# KiCad board panel.kicad_pcb (continued)
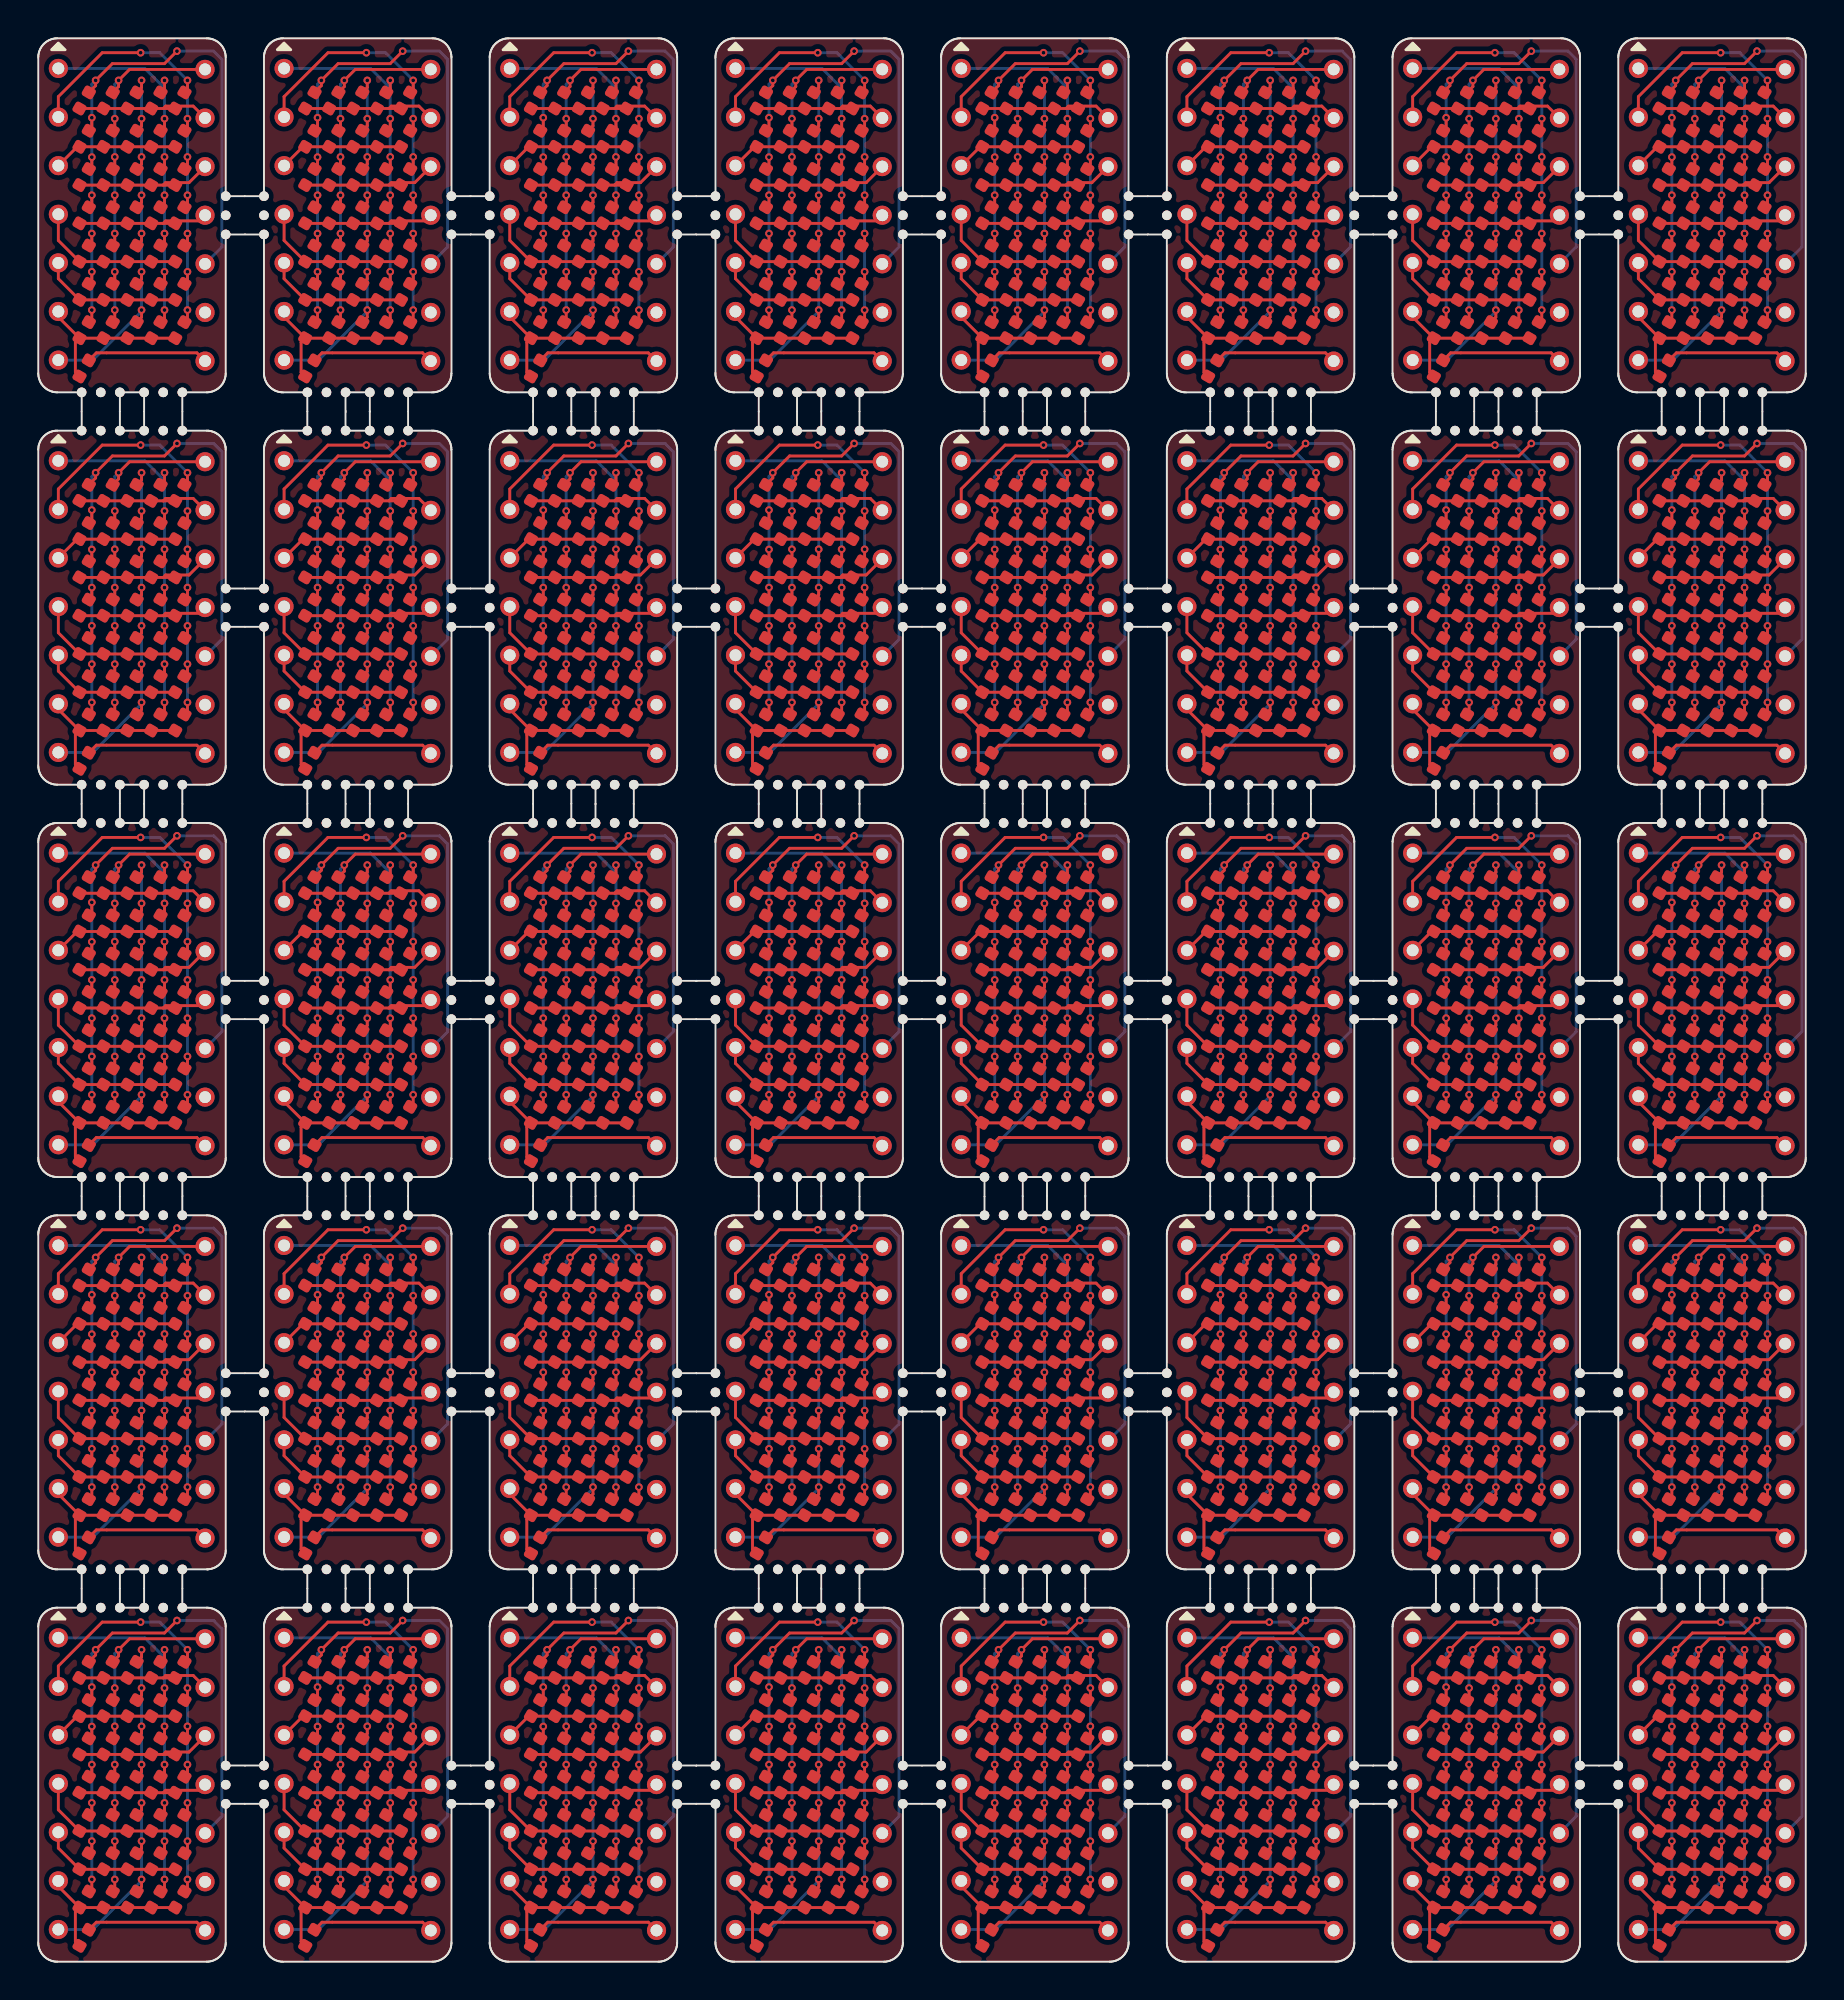
[diagram p0: board, top side]
## Routing (per net, layer and track width the routed paths; a pad name or vN(x,y) marks a point on that pad's centre or on a via; arc(x,y) is an arc through that point) (continued)
Board_24-C4: length 23
  Top w0.15: v1(6.6,30.8) 6.6,30.38 D26.2 ; v1(6.6,34.8) 6.6,34.38 D24#25.2 ; v1(6.6,32.8) 6.6,32.38 D25#11.2 ; v1(6.6,26.8) 6.6,26.38 D28#39.2 ; v1(6.6,36.8) 6.6,36.38 D23#19.2 ; D29#28.2 6.6,24.38 v1(6.6,24.8) ; v1(6.6,28.8) 6.6,28.38 D27#4.2
  Bottom w0.15: 6.6,36.39 v1(6.6,34.8) v1(6.6,32.8) v1(6.6,30.8) v1(6.6,28.8) v1(6.6,26.8) v1(6.6,24.8) ; 6.6,36.39 v1(6.6,36.8) ; 6.6,36.39 5.57,37.42 J1#34.1
Board_24-C5: length 26.2
  Top w0.15: D36#3.2 7.8,24.33 v1(7.8,24.8) ; D31#24.2 7.8,34.33 v1(7.8,34.8) ; D34#9.2 7.8,28.33 v1(7.8,28.8) ; D32#30.2 7.8,32.33 v1(7.8,32.8) ; D33#10.2 7.8,30.33 v1(7.8,30.8) ; D35#39.2 7.8,26.33 v1(7.8,26.8) ; D30#3.2 7.8,36.33 v1(7.8,36.8) ; v1(5.35,38.25) 3.34,38.25 1.05,35.95 J1#34.2
  Bottom w0.15: v1(7.8,24.8) v1(7.8,26.8) v1(7.8,28.8) v1(7.8,30.8) v1(7.8,32.8) v1(7.8,34.8) v1(7.8,36.8) 6.36,38.25 v1(5.35,38.25)
Board_24-DP: length 6.4
  Top w0.15: J2#37.7 8.29,22.56 3.04,22.56 D8#10.2
Board_24-R1: length 7.5
  Top w0.15: D1#11.1 D9#30.1 D16#36.1 D23#19.1 6.53,35.33 ; J2#37.2 8.1,35.46 6.66,35.46 6.53,35.33 ; 6.53,35.33 D30#3.1
Board_24-R2: length 6.5
  Top w0.15: J1#34.3 2.03,33.33 D2.1 D10#16.1 D17#30.1 D24#25.1 D31#24.1
Board_24-R3: length 7.6
  Top w0.15: 6.53,31.33 D25#11.1 D18#33.1 D11#13.1 D3#36.1 ; 6.53,31.33 6.66,31.46 7.88,31.46 J2#37.3 ; 6.53,31.33 D32#30.1
Board_24-R4: length 7.4
  Top w0.15: J2#37.4 8.42,29.46 6.66,29.46 6.53,29.33 ; 6.53,29.33 D33#10.1 ; 6.53,29.33 D26.1 D19#40.1 D12.1 D4#20.1
Board_24-R5: length 7.9
  Top w0.15: J1#34.4 1.05,28.44 D5#32.1 D13#10.1 D20#29.1 D27#4.1 D34#9.1
Board_24-R6: length 7.4
  Top w0.15: D35#39.1 D28#39.1 D21#34.1 D14#6.1 D6#10.1 1.05,26.44 J1#34.5
Board_24-R7: length 9
  Top w0.15: D8#10.1 1.94,21.55 1.94,23.11 D7#39.1 ; D36#3.1 D29#28.1 D22.1 D15#3.1 D7#39.1 ; J1#34.6 1.05,24.44 D7#39.1
Board_25-C1: length 35.5
  Top w0.15: v1(14.6,34.85) 14.6,34.33 D2#8.2 ; D7#33.2 14.6,24.33 v1(14.6,24.8) ; v1(14.6,32.79) 14.6,32.33 D3#20.2 ; v1(14.6,26.8) 14.6,26.33 D6#35.2 ; D4#28.2 14.6,30.33 v1(14.6,30.8) ; D5#29.2 14.6,28.33 v1(14.6,28.8) ; v1(19.05,38.33) 18.4,37.68 15.68,37.68 v1(14.8,36.8) 14.8,36.53 D1#13.2
  Bottom w0.15: v1(14.8,36.8) 14.6,36.6 v1(14.6,34.85) v1(14.6,32.79) v1(14.6,30.8) v1(14.6,28.8) v1(14.6,26.8) v1(14.6,24.8) ; J2#19.5 21.4,28.09 21.4,37.9 20.97,38.33 v1(19.05,38.33)
Board_25-C2: length 21.6
  Top w0.15: v1(15.8,30.8) 15.8,30.28 D12#30.2 ; v1(15.8,26.8) 15.8,26.28 D14#10.2 ; D11#11.2 15.8,32.28 v1(15.8,32.8) ; v1(15.8,34.8) 15.8,34.28 D10#14.2 ; D9#27.2 16,36.48 v1(16,36.8) 16.57,37.37 20.52,37.37 J2#19.1 ; v1(15.8,28.8) 15.8,28.28 D13#6.2 ; D15#30.2 15.8,24.28 v1(15.8,24.8)
  Bottom w0.15: v1(15.8,24.8) v1(15.8,26.8) v1(15.8,28.8) v1(15.8,30.8) v1(15.8,32.8) v1(15.8,34.8) 15.8,36.6 v1(16,36.8)
Board_25-C3: length 22.6
  Top w0.15: v1(17.2,32.8) 17.2,32.43 D18#20.2 ; v1(17.2,28.8) 17.2,28.43 D20#23.2 ; D17#24.2 17.2,34.43 v1(17.2,34.8) ; v1(17.2,26.8) 17.2,26.43 D21#5.2 ; D22#23.2 17.2,24.43 v1(17.2,24.8) ; v1(17.2,30.8) 17.2,30.43 D19#26.2 ; D16#25.2 17.2,36.43 v1(17.2,36.8)
  Bottom w0.15: v1(17.2,36.8) v1(17.2,34.8) v1(17.2,32.8) v1(17.2,30.8) v1(17.2,28.8) v1(17.2,26.8) v1(17.2,24.8) 17.2,24.73 14.65,22.19 J1.7
Board_25-C4: length 23
  Top w0.15: v1(18.4,34.8) 18.4,34.38 D24#16.2 ; v1(18.4,28.8) 18.4,28.38 D27#33.2 ; D29#26.2 18.4,24.38 v1(18.4,24.8) ; v1(18.4,32.8) 18.4,32.38 D25#34.2 ; D26#40.2 18.4,30.38 v1(18.4,30.8) ; D23.2 18.4,36.38 v1(18.4,36.8) ; D28#32.2 18.4,26.38 v1(18.4,26.8)
  Bottom w0.15: v1(18.4,24.8) v1(18.4,26.8) v1(18.4,28.8) v1(18.4,30.8) v1(18.4,32.8) v1(18.4,34.8) 18.4,36.39 ; 18.4,36.39 v1(18.4,36.8) ; 18.4,36.39 17.37,37.42 J1.1
Board_25-C5: length 26.2
  Top w0.15: v1(19.6,36.8) 19.6,36.33 D30#11.2 ; D33#13.2 19.6,30.33 v1(19.6,30.8) ; D34#14.2 19.6,28.33 v1(19.6,28.8) ; D31#33.2 19.6,34.33 v1(19.6,34.8) ; v1(17.15,38.25) 15.14,38.25 12.85,35.95 J1.2 ; D35#2.2 19.6,26.33 v1(19.6,26.8) ; v1(19.6,32.8) 19.6,32.33 D32#21.2 ; D36#26.2 19.6,24.33 v1(19.6,24.8)
  Bottom w0.15: v1(17.15,38.25) 18.16,38.25 v1(19.6,36.8) v1(19.6,34.8) v1(19.6,32.8) v1(19.6,30.8) v1(19.6,28.8) v1(19.6,26.8) v1(19.6,24.8)
Board_25-DP: length 6.4
  Top w0.15: J2#19.7 20.09,22.56 14.84,22.56 D8#26.2
Board_25-R1: length 7.5
  Top w0.15: 18.33,35.33 18.46,35.46 19.9,35.46 J2#19.2 ; 18.33,35.33 D30#11.1 ; 18.33,35.33 D23.1 D16#25.1 D9#27.1 D1#13.1
Board_25-R2: length 6.5
  Top w0.15: D31#33.1 D24#16.1 D17#24.1 D10#14.1 D2#8.1 13.84,33.33 J1.3
Board_25-R3: length 7.6
  Top w0.15: D3#20.1 D11#11.1 D18#20.1 D25#34.1 18.33,31.33 ; J2#19.3 19.68,31.46 18.46,31.46 18.33,31.33 ; 18.33,31.33 D32#21.1
Board_25-R4: length 7.4
  Top w0.15: J2#19.4 20.22,29.46 18.46,29.46 18.33,29.33 ; 18.33,29.33 D33#13.1 ; 18.33,29.33 D26#40.1 D19#26.1 D12#30.1 D4#28.1
Board_25-R5: length 7.9
  Top w0.15: J1.4 12.85,28.44 D5#29.1 D13#6.1 D20#23.1 D27#33.1 D34#14.1
Board_25-R6: length 7.4
  Top w0.15: J1.5 12.85,26.44 D6#35.1 D14#10.1 D21#5.1 D28#32.1 D35#2.1
Board_25-R7: length 9
  Top w0.15: J1.6 12.85,24.44 D7#33.1 ; D36#26.1 D29#26.1 D22#23.1 D15#30.1 D7#33.1 ; D8#26.1 13.74,21.55 13.74,23.11 D7#33.1
Board_26-C1: length 35.5
  Top w0.15: v1(26.4,26.8) 26.4,26.33 D6#23.2 ; D5#27.2 26.4,28.33 v1(26.4,28.8) ; D2#33.2 26.4,34.33 v1(26.4,34.85) ; D4#37.2 26.4,30.33 v1(26.4,30.8) ; D3#3.2 26.4,32.33 v1(26.4,32.79) ; v1(26.4,24.8) 26.4,24.33 D7#19.2 ; v1(30.85,38.33) 30.2,37.68 27.48,37.68 v1(26.6,36.8) 26.6,36.53 D1#5.2
  Bottom w0.15: v1(26.6,36.8) 26.4,36.6 v1(26.4,34.85) v1(26.4,32.79) v1(26.4,30.8) v1(26.4,28.8) v1(26.4,26.8) v1(26.4,24.8) ; J2#30.5 33.2,28.09 33.2,37.9 32.77,38.33 v1(30.85,38.33)
Board_26-C2: length 21.6
  Top w0.15: v1(27.6,34.8) 27.6,34.28 D10#4.2 ; D14#20.2 27.6,26.28 v1(27.6,26.8) ; v1(27.6,28.8) 27.6,28.28 D13#27.2 ; J2#30.1 32.32,37.37 28.37,37.37 v1(27.8,36.8) 27.8,36.48 D9#28.2 ; v1(27.6,30.8) 27.6,30.28 D12#14.2 ; D15#11.2 27.6,24.28 v1(27.6,24.8) ; D11#15.2 27.6,32.28 v1(27.6,32.8)
  Bottom w0.15: v1(27.8,36.8) 27.6,36.6 v1(27.6,34.8) v1(27.6,32.8) v1(27.6,30.8) v1(27.6,28.8) v1(27.6,26.8) v1(27.6,24.8)
Board_26-C3: length 22.6
  Top w0.15: D22#21.2 29,24.43 v1(29,24.8) ; v1(29,30.8) 29,30.43 D19#24.2 ; D18#10.2 29,32.43 v1(29,32.8) ; D16.2 29,36.43 v1(29,36.8) ; D21#18.2 29,26.43 v1(29,26.8) ; D20#27.2 29,28.43 v1(29,28.8) ; v1(29,34.8) 29,34.43 D17#38.2
  Bottom w0.15: J1#16.7 26.45,22.19 29,24.73 v1(29,24.8) v1(29,26.8) v1(29,28.8) v1(29,30.8) v1(29,32.8) v1(29,34.8) v1(29,36.8)
Board_26-C4: length 23
  Top w0.15: v1(30.2,28.8) 30.2,28.38 D27#27.2 ; D23#22.2 30.2,36.38 v1(30.2,36.8) ; D26#33.2 30.2,30.38 v1(30.2,30.8) ; D24#21.2 30.2,34.38 v1(30.2,34.8) ; v1(30.2,24.8) 30.2,24.38 D29#38.2 ; D25#35.2 30.2,32.38 v1(30.2,32.8) ; D28#3.2 30.2,26.38 v1(30.2,26.8)
  Bottom w0.15: 30.2,36.39 29.17,37.42 J1#16.1 ; 30.2,36.39 v1(30.2,34.8) v1(30.2,32.8) v1(30.2,30.8) v1(30.2,28.8) v1(30.2,26.8) v1(30.2,24.8) ; 30.2,36.39 v1(30.2,36.8)
Board_26-C5: length 26.2
  Top w0.15: D33#6.2 31.4,30.33 v1(31.4,30.8) ; D34#34.2 31.4,28.33 v1(31.4,28.8) ; D35#16.2 31.4,26.33 v1(31.4,26.8) ; v1(31.4,24.8) 31.4,24.33 D36#7.2 ; D30#36.2 31.4,36.33 v1(31.4,36.8) ; J1#16.2 24.65,35.95 26.95,38.25 v1(28.95,38.25) ; v1(31.4,32.8) 31.4,32.33 D32#27.2 ; v1(31.4,34.8) 31.4,34.33 D31#12.2
  Bottom w0.15: v1(31.4,24.8) v1(31.4,26.8) v1(31.4,28.8) v1(31.4,30.8) v1(31.4,32.8) v1(31.4,34.8) v1(31.4,36.8) 29.95,38.25 v1(28.95,38.25)
Board_26-DP: length 6.4
  Top w0.15: D8#7.2 26.64,22.56 31.89,22.56 J2#30.7
Board_26-R1: length 7.5
  Top w0.15: 30.13,35.33 D23#22.1 D16.1 D9#28.1 D1#5.1 ; 30.13,35.33 30.26,35.46 31.7,35.46 J2#30.2 ; 30.13,35.33 D30#36.1
Board_26-R2: length 6.5
  Top w0.15: D31#12.1 D24#21.1 D17#38.1 D10#4.1 D2#33.1 25.64,33.33 J1#16.3
Board_26-R3: length 7.6
  Top w0.15: 30.13,31.33 D25#35.1 D18#10.1 D11#15.1 D3#3.1 ; 30.13,31.33 D32#27.1 ; 30.13,31.33 30.26,31.46 31.48,31.46 J2#30.3
Board_26-R4: length 7.4
  Top w0.15: D4#37.1 D12#14.1 D19#24.1 D26#33.1 30.13,29.33 ; 30.13,29.33 D33#6.1 ; 30.13,29.33 30.26,29.46 32.02,29.46 J2#30.4
Board_26-R5: length 7.9
  Top w0.15: D34#34.1 D27#27.1 D20#27.1 D13#27.1 D5#27.1 24.65,28.44 J1#16.4
Board_26-R6: length 7.4
  Top w0.15: D35#16.1 D28#3.1 D21#18.1 D14#20.1 D6#23.1 24.65,26.44 J1#16.5
Board_26-R7: length 9
  Top w0.15: D8#7.1 25.54,21.55 25.54,23.11 D7#19.1 ; D7#19.1 24.65,24.44 J1#16.6 ; D7#19.1 D15#11.1 D22#21.1 D29#38.1 D36#7.1
Board_27-C1: length 35.5
  Top w0.15: v1(38.2,30.8) 38.2,30.33 D4#19.2 ; v1(38.2,24.8) 38.2,24.33 D7#26.2 ; v1(38.2,26.8) 38.2,26.33 D6#11.2 ; v1(38.2,32.79) 38.2,32.33 D3#14.2 ; v1(38.2,28.8) 38.2,28.33 D5#31.2 ; v1(38.2,34.85) 38.2,34.33 D2#37.2 ; D1#21.2 38.4,36.53 v1(38.4,36.8) 39.28,37.68 42,37.68 v1(42.65,38.33)
  Bottom w0.15: v1(38.4,36.8) 38.2,36.6 v1(38.2,34.85) v1(38.2,32.79) v1(38.2,30.8) v1(38.2,28.8) v1(38.2,26.8) v1(38.2,24.8) ; J2#28.5 45,28.09 45,37.9 44.57,38.33 v1(42.65,38.33)
Board_27-C2: length 21.6
  Top w0.15: v1(39.4,28.8) 39.4,28.28 D13#34.2 ; J2#28.1 44.12,37.37 40.17,37.37 v1(39.6,36.8) 39.6,36.48 D9#15.2 ; D12#21.2 39.4,30.28 v1(39.4,30.8) ; v1(39.4,34.8) 39.4,34.28 D10#38.2 ; D14#31.2 39.4,26.28 v1(39.4,26.8) ; D15#15.2 39.4,24.28 v1(39.4,24.8) ; v1(39.4,32.8) 39.4,32.28 D11#33.2
  Bottom w0.15: v1(39.4,24.8) v1(39.4,26.8) v1(39.4,28.8) v1(39.4,30.8) v1(39.4,32.8) v1(39.4,34.8) 39.4,36.6 v1(39.6,36.8)
Board_27-C3: length 22.6
  Top w0.15: D19#4.2 40.8,30.43 v1(40.8,30.8) ; D21#7.2 40.8,26.43 v1(40.8,26.8) ; v1(40.8,34.8) 40.8,34.43 D17#17.2 ; D20#33.2 40.8,28.43 v1(40.8,28.8) ; D16#10.2 40.8,36.43 v1(40.8,36.8) ; D18#26.2 40.8,32.43 v1(40.8,32.8) ; v1(40.8,24.8) 40.8,24.43 D22#3.2
  Bottom w0.15: v1(40.8,36.8) v1(40.8,34.8) v1(40.8,32.8) v1(40.8,30.8) v1(40.8,28.8) v1(40.8,26.8) v1(40.8,24.8) 40.8,24.73 38.25,22.19 J1#37.7
Board_27-C4: length 23
  Top w0.15: D23#37.2 42,36.38 v1(42,36.8) ; D27#22.2 42,28.38 v1(42,28.8) ; D28#40.2 42,26.38 v1(42,26.8) ; v1(42,32.8) 42,32.38 D25#19.2 ; D29#14.2 42,24.38 v1(42,24.8) ; v1(42,30.8) 42,30.38 D26#8.2 ; v1(42,34.8) 42,34.38 D24#31.2
  Bottom w0.15: v1(42,24.8) v1(42,26.8) v1(42,28.8) v1(42,30.8) v1(42,32.8) v1(42,34.8) 42,36.39 ; 42,36.39 40.97,37.42 J1#37.1 ; 42,36.39 v1(42,36.8)
Board_27-C5: length 26.2
  Top w0.15: D31#4.2 43.2,34.33 v1(43.2,34.8) ; D36#4.2 43.2,24.33 v1(43.2,24.8) ; v1(43.2,36.8) 43.2,36.33 D30#21.2 ; D33#15.2 43.2,30.33 v1(43.2,30.8) ; v1(43.2,28.8) 43.2,28.33 D34#26.2 ; D35#40.2 43.2,26.33 v1(43.2,26.8) ; v1(43.2,32.8) 43.2,32.33 D32#5.2 ; v1(40.75,38.25) 38.74,38.25 36.45,35.95 J1#37.2
  Bottom w0.15: v1(43.2,24.8) v1(43.2,26.8) v1(43.2,28.8) v1(43.2,30.8) v1(43.2,32.8) v1(43.2,34.8) v1(43.2,36.8) 41.76,38.25 v1(40.75,38.25)
Board_27-DP: length 6.4
  Top w0.15: D8#35.2 38.44,22.56 43.69,22.56 J2#28.7
Board_27-R1: length 7.5
  Top w0.15: 41.93,35.33 D23#37.1 D16#10.1 D9#15.1 D1#21.1 ; 41.93,35.33 42.06,35.46 43.5,35.46 J2#28.2 ; 41.93,35.33 D30#21.1
Board_27-R2: length 6.5
  Top w0.15: J1#37.3 37.44,33.33 D2#37.1 D10#38.1 D17#17.1 D24#31.1 D31#4.1
Board_27-R3: length 7.6
  Top w0.15: J2#28.3 43.28,31.46 42.06,31.46 41.93,31.33 ; 41.93,31.33 D25#19.1 D18#26.1 D11#33.1 D3#14.1 ; 41.93,31.33 D32#5.1
Board_27-R4: length 7.4
  Top w0.15: D4#19.1 D12#21.1 D19#4.1 D26#8.1 41.93,29.33 ; 41.93,29.33 42.06,29.46 43.82,29.46 J2#28.4 ; 41.93,29.33 D33#15.1
Board_27-R5: length 7.9
  Top w0.15: D34#26.1 D27#22.1 D20#33.1 D13#34.1 D5#31.1 36.45,28.44 J1#37.4
Board_27-R6: length 7.4
  Top w0.15: J1#37.5 36.45,26.44 D6#11.1 D14#31.1 D21#7.1 D28#40.1 D35#40.1
Board_27-R7: length 9
  Top w0.15: D7#26.1 D15#15.1 D22#3.1 D29#14.1 D36#4.1 ; D7#26.1 37.34,23.11 37.34,21.55 D8#35.1 ; D7#26.1 36.45,24.44 J1#37.6
Board_28-C1: length 35.5
  Top w0.15: D3#10.2 50,32.33 v1(50,32.79) ; D1#24.2 50.2,36.53 v1(50.2,36.8) 51.08,37.68 53.8,37.68 v1(54.45,38.33) ; v1(50,28.8) 50,28.33 D5#22.2 ; v1(50,24.8) 50,24.33 D7#9.2 ; v1(50,30.8) 50,30.33 D4#4.2 ; v1(50,26.8) 50,26.33 D6#8.2 ; D2#4.2 50,34.33 v1(50,34.85)
  Bottom w0.15: v1(54.45,38.33) 56.37,38.33 56.8,37.9 56.8,28.09 J2#21.5 ; v1(50,24.8) v1(50,26.8) v1(50,28.8) v1(50,30.8) v1(50,32.79) v1(50,34.85) 50,36.6 v1(50.2,36.8)
Board_28-C2: length 21.6
  Top w0.15: D13#22.2 51.2,28.28 v1(51.2,28.8) ; v1(51.2,30.8) 51.2,30.28 D12#5.2 ; v1(51.2,34.8) 51.2,34.28 D10#12.2 ; v1(51.2,24.8) 51.2,24.28 D15#10.2 ; v1(51.2,26.8) 51.2,26.28 D14#29.2 ; v1(51.2,32.8) 51.2,32.28 D11#26.2 ; J2#21.1 55.92,37.37 51.97,37.37 v1(51.4,36.8) 51.4,36.48 D9#17.2
  Bottom w0.15: v1(51.2,24.8) v1(51.2,26.8) v1(51.2,28.8) v1(51.2,30.8) v1(51.2,32.8) v1(51.2,34.8) 51.2,36.6 v1(51.4,36.8)
Board_28-C3: length 22.6
  Top w0.15: v1(52.6,28.8) 52.6,28.43 D20#15.2 ; v1(52.6,34.8) 52.6,34.43 D17#35.2 ; v1(52.6,24.8) 52.6,24.43 D22#32.2 ; D18#34.2 52.6,32.43 v1(52.6,32.8) ; v1(52.6,26.8) 52.6,26.43 D21#29.2 ; D16#21.2 52.6,36.43 v1(52.6,36.8) ; v1(52.6,30.8) 52.6,30.43 D19#39.2
  Bottom w0.15: v1(52.6,36.8) v1(52.6,34.8) v1(52.6,32.8) v1(52.6,30.8) v1(52.6,28.8) v1(52.6,26.8) v1(52.6,24.8) 52.6,24.73 50.05,22.19 J1#17.7
Board_28-C4: length 23
  Top w0.15: v1(53.8,26.8) 53.8,26.38 D28#19.2 ; v1(53.8,24.8) 53.8,24.38 D29#11.2 ; v1(53.8,30.8) 53.8,30.38 D26#38.2 ; v1(53.8,34.8) 53.8,34.38 D24#9.2 ; D27#37.2 53.8,28.38 v1(53.8,28.8) ; D25#26.2 53.8,32.38 v1(53.8,32.8) ; D23#24.2 53.8,36.38 v1(53.8,36.8)
  Bottom w0.15: 53.8,36.39 v1(53.8,34.8) v1(53.8,32.8) v1(53.8,30.8) v1(53.8,28.8) v1(53.8,26.8) v1(53.8,24.8) ; 53.8,36.39 52.77,37.42 J1#17.1 ; 53.8,36.39 v1(53.8,36.8)
Board_28-C5: length 26.2
  Top w0.15: v1(55,36.8) 55,36.33 D30#32.2 ; D36#12.2 55,24.33 v1(55,24.8) ; D31#20.2 55,34.33 v1(55,34.8) ; v1(55,28.8) 55,28.33 D34#38.2 ; v1(55,26.8) 55,26.33 D35#7.2 ; J1#17.2 48.25,35.95 50.55,38.25 v1(52.55,38.25) ; D33#37.2 55,30.33 v1(55,30.8) ; D32#2.2 55,32.33 v1(55,32.8)
  Bottom w0.15: v1(55,24.8) v1(55,26.8) v1(55,28.8) v1(55,30.8) v1(55,32.8) v1(55,34.8) v1(55,36.8) 53.55,38.25 v1(52.55,38.25)
Board_28-DP: length 6.4
  Top w0.15: D8#36.2 50.24,22.56 55.49,22.56 J2#21.7
Board_28-R1: length 7.5
  Top w0.15: J2#21.2 55.3,35.46 53.86,35.46 53.73,35.33 ; D1#24.1 D9#17.1 D16#21.1 D23#24.1 53.73,35.33 ; D30#32.1 53.73,35.33
Board_28-R2: length 6.5
  Top w0.15: D31#20.1 D24#9.1 D17#35.1 D10#12.1 D2#4.1 49.23,33.33 J1#17.3
Board_28-R3: length 7.6
  Top w0.15: 53.73,31.33 53.86,31.46 55.08,31.46 J2#21.3 ; 53.73,31.33 D25#26.1 D18#34.1 D11#26.1 D3#10.1 ; 53.73,31.33 D32#2.1
Board_28-R4: length 7.4
  Top w0.15: J2#21.4 55.62,29.46 53.86,29.46 53.73,29.33 ; 53.73,29.33 D33#37.1 ; 53.73,29.33 D26#38.1 D19#39.1 D12#5.1 D4#4.1
Board_28-R5: length 7.9
  Top w0.15: D34#38.1 D27#37.1 D20#15.1 D13#22.1 D5#22.1 48.25,28.44 J1#17.4
Board_28-R6: length 7.4
  Top w0.15: D35#7.1 D28#19.1 D21#29.1 D14#29.1 D6#8.1 48.25,26.44 J1#17.5
Board_28-R7: length 9
  Top w0.15: J1#17.6 48.25,24.44 D7#9.1 ; D7#9.1 D15#10.1 D22#32.1 D29#11.1 D36#12.1 ; D7#9.1 49.14,23.11 49.14,21.55 D8#36.1
Board_29-C1: length 35.5
  Top w0.15: D6#19.2 61.8,26.33 v1(61.8,26.8) ; D2#13.2 61.8,34.33 v1(61.8,34.85) ; D5#14.2 61.8,28.33 v1(61.8,28.8) ; v1(61.8,30.8) 61.8,30.33 D4#26.2 ; v1(61.8,24.8) 61.8,24.33 D7#8.2 ; D1#26.2 62,36.53 v1(62,36.8) 62.88,37.68 65.6,37.68 v1(66.25,38.33) ; D3#5.2 61.8,32.33 v1(61.8,32.79)
  Bottom w0.15: J2#18.5 68.6,28.09 68.6,37.9 68.17,38.33 v1(66.25,38.33) ; v1(62,36.8) 61.8,36.6 v1(61.8,34.85) v1(61.8,32.79) v1(61.8,30.8) v1(61.8,28.8) v1(61.8,26.8) v1(61.8,24.8)
Board_29-C2: length 21.6
  Top w0.15: D10#20.2 63,34.28 v1(63,34.8) ; v1(63,24.8) 63,24.28 D15#18.2 ; v1(63,26.8) 63,26.28 D14#26.2 ; v1(63,28.8) 63,28.28 D13#29.2 ; D12#31.2 63,30.28 v1(63,30.8) ; D9#37.2 63.2,36.48 v1(63.2,36.8) 63.77,37.37 67.72,37.37 J2#18.1 ; v1(63,32.8) 63,32.28 D11#29.2
  Bottom w0.15: v1(63.2,36.8) 63,36.6 v1(63,34.8) v1(63,32.8) v1(63,30.8) v1(63,28.8) v1(63,26.8) v1(63,24.8)
Board_29-C3: length 22.6
  Top w0.15: D22#9.2 64.4,24.43 v1(64.4,24.8) ; v1(64.4,30.8) 64.4,30.43 D19#14.2 ; D20#17.2 64.4,28.43 v1(64.4,28.8) ; D17#23.2 64.4,34.43 v1(64.4,34.8) ; v1(64.4,26.8) 64.4,26.43 D21#36.2 ; D16#2.2 64.4,36.43 v1(64.4,36.8) ; v1(64.4,32.8) 64.4,32.43 D18#18.2
  Bottom w0.15: v1(64.4,36.8) v1(64.4,34.8) v1(64.4,32.8) v1(64.4,30.8) v1(64.4,28.8) v1(64.4,26.8) v1(64.4,24.8) 64.4,24.73 61.85,22.19 J1#30.7
Board_29-C4: length 23
  Top w0.15: v1(65.6,36.8) 65.6,36.38 D23#36.2 ; v1(65.6,24.8) 65.6,24.38 D29#33.2 ; v1(65.6,32.8) 65.6,32.38 D25#7.2 ; v1(65.6,28.8) 65.6,28.38 D27#31.2 ; D26#23.2 65.6,30.38 v1(65.6,30.8) ; D24#34.2 65.6,34.38 v1(65.6,34.8) ; D28#30.2 65.6,26.38 v1(65.6,26.8)
  Bottom w0.15: 65.6,36.39 v1(65.6,34.8) v1(65.6,32.8) v1(65.6,30.8) v1(65.6,28.8) v1(65.6,26.8) v1(65.6,24.8) ; 65.6,36.39 v1(65.6,36.8) ; 65.6,36.39 64.57,37.42 J1#30.1
Board_29-C5: length 26.2
  Top w0.15: D35#25.2 66.8,26.33 v1(66.8,26.8) ; D31#36.2 66.8,34.33 v1(66.8,34.8) ; v1(66.8,24.8) 66.8,24.33 D36#16.2 ; D33#19.2 66.8,30.33 v1(66.8,30.8) ; J1#30.2 60.05,35.95 62.35,38.25 v1(64.35,38.25) ; v1(66.8,28.8) 66.8,28.33 D34#32.2 ; D32#10.2 66.8,32.33 v1(66.8,32.8) ; D30#38.2 66.8,36.33 v1(66.8,36.8)
  Bottom w0.15: v1(64.35,38.25) 65.36,38.25 v1(66.8,36.8) v1(66.8,34.8) v1(66.8,32.8) v1(66.8,30.8) v1(66.8,28.8) v1(66.8,26.8) v1(66.8,24.8)
Board_29-DP: length 6.4
  Top w0.15: J2#18.7 67.29,22.56 62.04,22.56 D8#38.2
Board_29-R1: length 7.5
  Top w0.15: 65.53,35.33 65.66,35.46 67.1,35.46 J2#18.2 ; 65.53,35.33 D30#38.1 ; 65.53,35.33 D23#36.1 D16#2.1 D9#37.1 D1#26.1
Board_29-R2: length 6.5
  Top w0.15: D31#36.1 D24#34.1 D17#23.1 D10#20.1 D2#13.1 61.04,33.33 J1#30.3
Board_29-R3: length 7.6
  Top w0.15: 65.53,31.33 65.66,31.46 66.88,31.46 J2#18.3 ; 65.53,31.33 D25#7.1 D18#18.1 D11#29.1 D3#5.1 ; 65.53,31.33 D32#10.1
Board_29-R4: length 7.4
  Top w0.15: 65.53,29.33 65.66,29.46 67.42,29.46 J2#18.4 ; 65.53,29.33 D33#19.1 ; 65.53,29.33 D26#23.1 D19#14.1 D12#31.1 D4#26.1
Board_29-R5: length 7.9
  Top w0.15: J1#30.4 60.05,28.44 D5#14.1 D13#29.1 D20#17.1 D27#31.1 D34#32.1
Board_29-R6: length 7.4
  Top w0.15: J1#30.5 60.05,26.44 D6#19.1 D14#26.1 D21#36.1 D28#30.1 D35#25.1
Board_29-R7: length 9
  Top w0.15: D7#8.1 D15#18.1 D22#9.1 D29#33.1 D36#16.1 ; D7#8.1 60.94,23.11 60.94,21.55 D8#38.1 ; D7#8.1 60.05,24.44 J1#30.6
Board_30-C1: length 35.5
  Top w0.15: D3#33.2 73.6,32.33 v1(73.6,32.79) ; v1(73.6,28.8) 73.6,28.33 D5#4.2 ; D4#16.2 73.6,30.33 v1(73.6,30.8) ; D2#14.2 73.6,34.33 v1(73.6,34.85) ; v1(73.6,26.8) 73.6,26.33 D6#37.2 ; v1(73.6,24.8) 73.6,24.33 D7#36.2 ; D1#22.2 73.8,36.53 v1(73.8,36.8) 74.68,37.68 77.4,37.68 v1(78.05,38.33)
  Bottom w0.15: v1(73.8,36.8) 73.6,36.6 v1(73.6,34.85) v1(73.6,32.79) v1(73.6,30.8) v1(73.6,28.8) v1(73.6,26.8) v1(73.6,24.8) ; J2#14.5 80.4,28.09 80.4,37.9 79.97,38.33 v1(78.05,38.33)
Board_30-C2: length 21.6
  Top w0.15: D13#11.2 74.8,28.28 v1(74.8,28.8) ; D10#31.2 74.8,34.28 v1(74.8,34.8) ; D9#7.2 75,36.48 v1(75,36.8) 75.57,37.37 79.52,37.37 J2#14.1 ; v1(74.8,26.8) 74.8,26.28 D14#5.2 ; D12#25.2 74.8,30.28 v1(74.8,30.8) ; D11#18.2 74.8,32.28 v1(74.8,32.8) ; v1(74.8,24.8) 74.8,24.28 D15#17.2
  Bottom w0.15: v1(74.8,24.8) v1(74.8,26.8) v1(74.8,28.8) v1(74.8,30.8) v1(74.8,32.8) v1(74.8,34.8) 74.8,36.6 v1(75,36.8)
Board_30-C3: length 22.6
  Top w0.15: v1(76.2,30.8) 76.2,30.43 D19#9.2 ; D21#12.2 76.2,26.43 v1(76.2,26.8) ; D17#5.2 76.2,34.43 v1(76.2,34.8) ; v1(76.2,28.8) 76.2,28.43 D20#26.2 ; v1(76.2,36.8) 76.2,36.43 D16#29.2 ; v1(76.2,24.8) 76.2,24.43 D22#34.2 ; v1(76.2,32.8) 76.2,32.43 D18#14.2
  Bottom w0.15: J1#13.7 73.65,22.19 76.2,24.73 v1(76.2,24.8) v1(76.2,26.8) v1(76.2,28.8) v1(76.2,30.8) v1(76.2,32.8) v1(76.2,34.8) v1(76.2,36.8)
Board_30-C4: length 23
  Top w0.15: D25#15.2 77.4,32.38 v1(77.4,32.8) ; v1(77.4,30.8) 77.4,30.38 D26#7.2 ; D28#31.2 77.4,26.38 v1(77.4,26.8) ; v1(77.4,28.8) 77.4,28.38 D27#7.2 ; D24#35.2 77.4,34.38 v1(77.4,34.8) ; D29#2.2 77.4,24.38 v1(77.4,24.8) ; v1(77.4,36.8) 77.4,36.38 D23#13.2
  Bottom w0.15: v1(77.4,24.8) v1(77.4,26.8) v1(77.4,28.8) v1(77.4,30.8) v1(77.4,32.8) v1(77.4,34.8) 77.4,36.39 ; 77.4,36.39 v1(77.4,36.8) ; 77.4,36.39 76.37,37.42 J1#13.1
Board_30-C5: length 26.2
  Top w0.15: D33#20.2 78.6,30.33 v1(78.6,30.8) ; v1(76.15,38.25) 74.14,38.25 71.85,35.95 J1#13.2 ; v1(78.6,32.8) 78.6,32.33 D32#31.2 ; D30#23.2 78.6,36.33 v1(78.6,36.8) ; v1(78.6,34.8) 78.6,34.33 D31#7.2 ; D35#14.2 78.6,26.33 v1(78.6,26.8) ; v1(78.6,24.8) 78.6,24.33 D36#17.2 ; v1(78.6,28.8) 78.6,28.33 D34#16.2
  Bottom w0.15: v1(76.15,38.25) 77.16,38.25 v1(78.6,36.8) v1(78.6,34.8) v1(78.6,32.8) v1(78.6,30.8) v1(78.6,28.8) v1(78.6,26.8) v1(78.6,24.8)
Board_30-DP: length 6.4
  Top w0.15: J2#14.7 79.09,22.56 73.84,22.56 D8#25.2
Board_30-R1: length 7.5
  Top w0.15: J2#14.2 78.9,35.46 77.46,35.46 77.33,35.33 ; 77.33,35.33 D23#13.1 D16#29.1 D9#7.1 D1#22.1 ; 77.33,35.33 D30#23.1
Board_30-R2: length 6.5
  Top w0.15: J1#13.3 72.83,33.33 D2#14.1 D10#31.1 D17#5.1 D24#35.1 D31#7.1
Board_30-R3: length 7.6
  Top w0.15: 77.33,31.33 D25#15.1 D18#14.1 D11#18.1 D3#33.1 ; 77.33,31.33 77.46,31.46 78.68,31.46 J2#14.3 ; 77.33,31.33 D32#31.1
Board_30-R4: length 7.4
  Top w0.15: D4#16.1 D12#25.1 D19#9.1 D26#7.1 77.33,29.33 ; 77.33,29.33 77.46,29.46 79.22,29.46 J2#14.4 ; 77.33,29.33 D33#20.1
Board_30-R5: length 7.9
  Top w0.15: D34#16.1 D27#7.1 D20#26.1 D13#11.1 D5#4.1 71.85,28.44 J1#13.4
Board_30-R6: length 7.4
  Top w0.15: J1#13.5 71.85,26.44 D6#37.1 D14#5.1 D21#12.1 D28#31.1 D35#14.1
Board_30-R7: length 9
  Top w0.15: D36#17.1 D29#2.1 D22#34.1 D15#17.1 D7#36.1 ; J1#13.6 71.85,24.44 D7#36.1 ; D7#36.1 72.74,23.11 72.74,21.55 D8#25.1
Board_31-C1: length 35.5
  Top w0.15: v1(85.4,30.8) 85.4,30.33 D4#21.2 ; v1(85.4,24.8) 85.4,24.33 D7#16.2 ; v1(85.4,28.8) 85.4,28.33 D5#38.2 ; D2#28.2 85.4,34.33 v1(85.4,34.85) ; v1(89.85,38.33) 89.2,37.68 86.48,37.68 v1(85.6,36.8) 85.6,36.53 D1#18.2 ; D3#11.2 85.4,32.33 v1(85.4,32.79) ; v1(85.4,26.8) 85.4,26.33 D6#4.2
  Bottom w0.15: v1(85.6,36.8) 85.4,36.6 v1(85.4,34.85) v1(85.4,32.79) v1(85.4,30.8) v1(85.4,28.8) v1(85.4,26.8) v1(85.4,24.8) ; v1(89.85,38.33) 91.77,38.33 92.2,37.9 92.2,28.09 J2#24.5
Board_31-C2: length 21.6
  Top w0.15: J2#24.1 91.32,37.37 87.37,37.37 v1(86.8,36.8) 86.8,36.48 D9#20.2 ; D10#27.2 86.6,34.28 v1(86.6,34.8) ; D14#2.2 86.6,26.28 v1(86.6,26.8) ; v1(86.6,30.8) 86.6,30.28 D12#23.2 ; D13#5.2 86.6,28.28 v1(86.6,28.8) ; v1(86.6,32.8) 86.6,32.28 D11#35.2 ; v1(86.6,24.8) 86.6,24.28 D15#37.2
  Bottom w0.15: v1(86.6,24.8) v1(86.6,26.8) v1(86.6,28.8) v1(86.6,30.8) v1(86.6,32.8) v1(86.6,34.8) 86.6,36.6 v1(86.8,36.8)
Board_31-C3: length 22.6
  Top w0.15: v1(88,36.8) 88,36.43 D16#17.2 ; v1(88,34.8) 88,34.43 D17#8.2 ; v1(88,24.8) 88,24.43 D22#19.2 ; D18#13.2 88,32.43 v1(88,32.8) ; v1(88,26.8) 88,26.43 D21#16.2 ; v1(88,28.8) 88,28.43 D20#28.2 ; D19#25.2 88,30.43 v1(88,30.8)
  Bottom w0.15: J1#14.7 85.45,22.19 88,24.73 v1(88,24.8) v1(88,26.8) v1(88,28.8) v1(88,30.8) v1(88,32.8) v1(88,34.8) v1(88,36.8)
Board_31-C4: length 23
  Top w0.15: v1(89.2,24.8) 89.2,24.38 D29#5.2 ; v1(89.2,34.8) 89.2,34.38 D24#37.2 ; v1(89.2,30.8) 89.2,30.38 D26#28.2 ; D27.2 89.2,28.38 v1(89.2,28.8) ; v1(89.2,32.8) 89.2,32.38 D25#17.2 ; D23#8.2 89.2,36.38 v1(89.2,36.8) ; v1(89.2,26.8) 89.2,26.38 D28#38.2
  Bottom w0.15: J1#14.1 88.17,37.42 89.2,36.39 ; 89.2,36.39 v1(89.2,34.8) v1(89.2,32.8) v1(89.2,30.8) v1(89.2,28.8) v1(89.2,26.8) v1(89.2,24.8) ; 89.2,36.39 v1(89.2,36.8)
Board_31-C5: length 26.2
  Top w0.15: v1(90.4,28.8) 90.4,28.33 D34#4.2 ; v1(90.4,24.8) 90.4,24.33 D36#29.2 ; v1(90.4,26.8) 90.4,26.33 D35#17.2 ; D32#12.2 90.4,32.33 v1(90.4,32.8) ; v1(87.95,38.25) 85.95,38.25 83.65,35.95 J1#14.2 ; D33#8.2 90.4,30.33 v1(90.4,30.8) ; v1(90.4,36.8) 90.4,36.33 D30#25.2 ; v1(90.4,34.8) 90.4,34.33 D31#34.2
  Bottom w0.15: v1(87.95,38.25) 88.95,38.25 v1(90.4,36.8) v1(90.4,34.8) v1(90.4,32.8) v1(90.4,30.8) v1(90.4,28.8) v1(90.4,26.8) v1(90.4,24.8)
Board_31-DP: length 6.4
  Top w0.15: J2#24.7 90.89,22.56 85.64,22.56 D8#16.2
Board_31-R1: length 7.5
  Top w0.15: 89.13,35.33 89.26,35.46 90.7,35.46 J2#24.2 ; 89.13,35.33 D30#25.1 ; 89.13,35.33 D23#8.1 D16#17.1 D9#20.1 D1#18.1
Board_31-R2: length 6.5
  Top w0.15: D31#34.1 D24#37.1 D17#8.1 D10#27.1 D2#28.1 84.64,33.33 J1#14.3
Board_31-R3: length 7.6
  Top w0.15: D3#11.1 D11#35.1 D18#13.1 D25#17.1 89.13,31.33 ; 89.13,31.33 89.26,31.46 90.48,31.46 J2#24.3 ; 89.13,31.33 D32#12.1
Board_31-R4: length 7.4
  Top w0.15: D4#21.1 D12#23.1 D19#25.1 D26#28.1 89.13,29.33 ; 89.13,29.33 89.26,29.46 91.02,29.46 J2#24.4 ; 89.13,29.33 D33#8.1
Board_31-R5: length 7.9
  Top w0.15: D34#4.1 D27.1 D20#28.1 D13#5.1 D5#38.1 83.65,28.44 J1#14.4
Board_31-R6: length 7.4
  Top w0.15: D35#17.1 D28#38.1 D21#16.1 D14#2.1 D6#4.1 83.65,26.44 J1#14.5
Board_31-R7: length 9
  Top w0.15: D7#16.1 84.54,23.11 84.54,21.55 D8#16.1 ; D7#16.1 D15#37.1 D22#19.1 D29#5.1 D36#29.1 ; D7#16.1 83.65,24.44 J1#14.6
Board_32-C1: length 35.5
  Top w0.15: D7#28.2 2.8,3.83 v1(2.8,4.3) ; v1(2.8,10.3) 2.8,9.83 D4#8.2 ; v1(2.8,8.3) 2.8,7.83 D5#5.2 ; D1#37.2 3,16.03 v1(3,16.3) 3.88,17.18 6.6,17.18 v1(7.25,17.83) ; v1(2.8,14.35) 2.8,13.83 D2#12.2 ; D3#30.2 2.8,11.83 v1(2.8,12.29) ; v1(2.8,6.3) 2.8,5.83 D6#2.2
  Bottom w0.15: v1(3,16.3) 2.8,16.1 v1(2.8,14.35) v1(2.8,12.29) v1(2.8,10.3) v1(2.8,8.3) v1(2.8,6.3) v1(2.8,4.3) ; v1(7.25,17.83) 9.17,17.83 9.6,17.4 9.6,7.59 J2#17.5
